# Altium PCB Main_Fly_V1.0.0.PcbDoc (part 1 of 2) (continued)
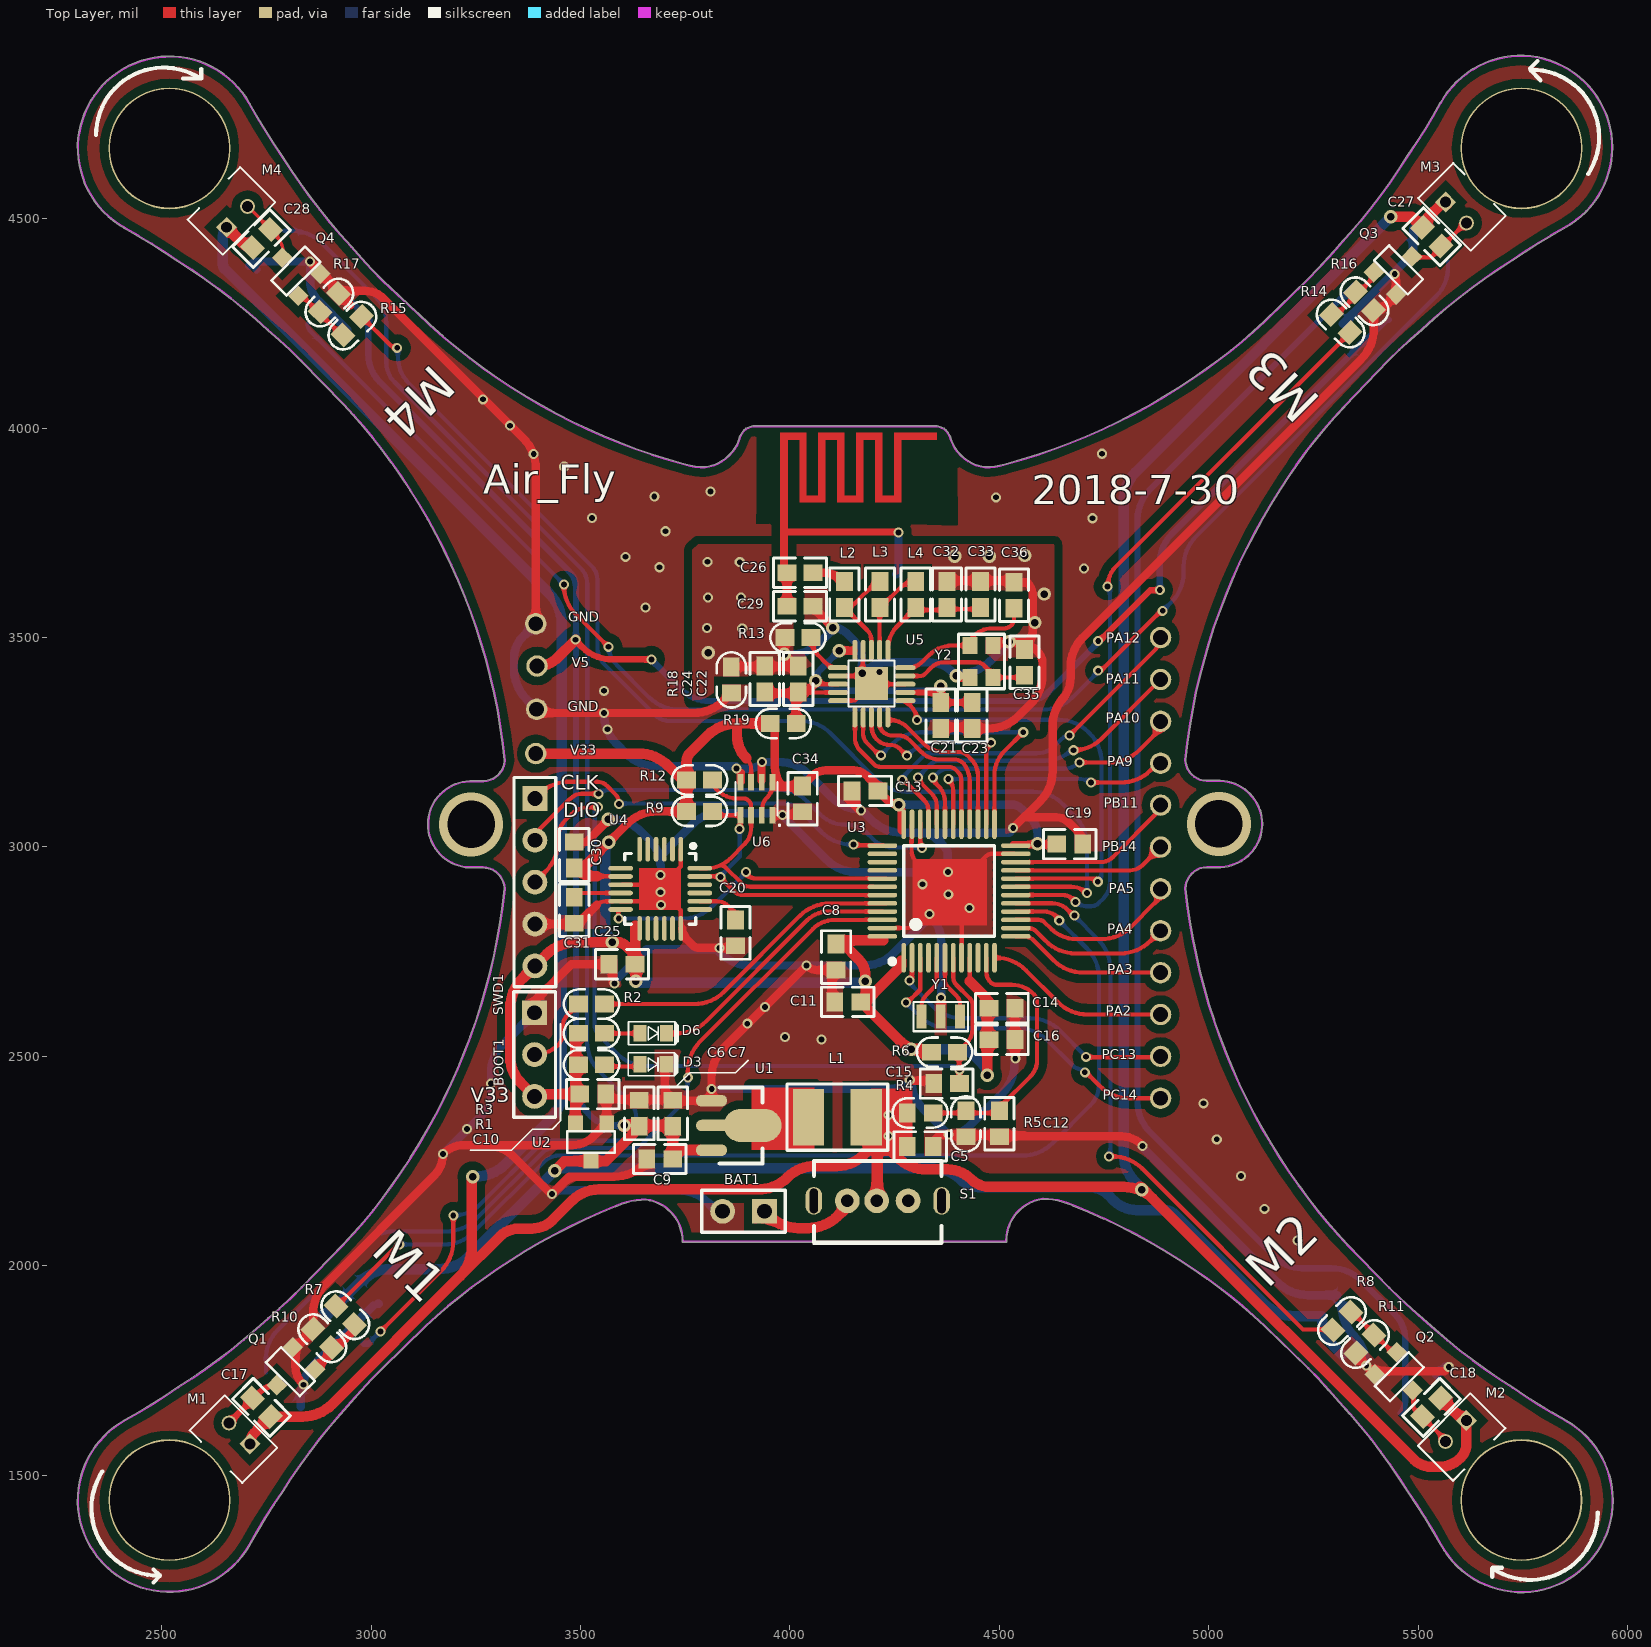
[diagram p0: Top Layer view]
## Components (designator, comment, footprint, x,y, rotation, side; value= is the part's Value field where it differs from the comment)
BAT1 "BAT" HDR1X2 3939,2130 r180 top
BOOT1 "BOOT" HDR1X3 3390,2604.33 r270 top
C1 "C_0603" C0603#1 2983.08,1926.92 r45 bottom
C2 "C_0603" C0603#1 5291.92,1901.92 r135 bottom
C3 "C_0603" C0603#1 5338.08,4221.92 r225 bottom
C4 "C_0603" C0603#1 2968.08,4233.08 r315 bottom
C5 "C_0603" C0603#2 4311,2285 r90 top
C6 "C_0603" C0603#3 3640,2364 r180 top
C7 "C_0603" C0603#1 3720,2364 r0 top
C8 "C_0603" C0603#3 4110,2737 r0 top
C9 "C_0603" C0603#1 3689,2255 r90 top
C10 "C_0603" C0603#3 3529,2410 r90 top
C11 "C_0603" C0603#1 4138,2630 r90 top
C12 "C_0603" C0603#1 4500,2339 r180 top
C13 "C_0603" C0603#1 4179,3134 r90 top
C14 "C_0603" C0603#1 4506,2615 r270 top
C15 "C_0603" C0603#1 4374,2435 r90 top
C16 "C_0603" C0603#1 4506,2540 r270 top
C17 "C_0603" C0603#3 2738.08,1661.92 r45 top
C18 "C_0603" C0603#1 5531.92,1661.92 r135 top
C19 "C_0603" C0603#3 4668,3007 r90 top
C20 "C_0603" C0603#1 3870,2795 r180 top
C21 "C_0603" C0603#4 4360,3314 r0 top
C22 "C_0603" C0603#4 4020,3401 r180 top
C23 "C_0603" C0603#4 4435,3314 r0 top
C24 "C_0603" C0603#4 3940,3401 r180 top
C25 "C_0603" C0603#1 3599,2720 r90 top
C26 "C_0603" C0603#4 4024,3655 r270 top
C27 "C_0603" C0603#2 5532.44,4457.3 r225 top
C28 "C_0603" C0603#2 2738.08,4453.08 r315 top
C29 "C_0603" C0603#4 4024,3575 r270 top
C30 "C_0603" C0603#1 3485,2981 r0 top
C31 "C_0603" C0603#3 3485,2849 r0 top
C32 "C_0603" C0603#4 4375,3603 r0 top
C33 "C_0603" C0603#4 4455,3603 r0 top
C34 "C_0603" C0603#3 4030,3115 r0 top
C35 "C_0603" C0603#4 4560,3441 r0 top
C36 "C_0603" C0603#4 4535,3601 r0 top
D1 "P923D" RGB_LED_5050 2860,1775 r135 bottom
D2 "P923D" RGB_LED_5050 2820,4360 r45 bottom
D3 "LED_0603" LED0603-green 3673,2481 r0 top
D4 "P923D" RGB_LED_5050 5460,4370 r315 bottom
D5 "P923D" RGB_LED_5050 5430,1760 r225 bottom
D6 "LED_0603" LED0603-green 3673.5,2555 r0 top
GND "Header 1" HEADER1 3393,3533 r0 top (schematic designator P15)
GND "Header 1" HEADER1 3395,3329 r0 top (schematic designator P2)
L1 "Inductor" L_1812 4113,2355 r180 top
L2 "Inductor" C0603#4 4130,3603 r180 top
L3 "Inductor" C0603#4 4215,3603 r180 top
L4 "Inductor" C0603#4 4300,3603 r0 top
M1 "Motor_720" MOTOR 2685,1600 r135 top
M2 "Motor_720" MOTOR 5590,1605 r225 top
M3 "Motor_720" MOTOR 5590.71,4514.66 r315 top
M4 "Motor_720" MOTOR 2680,4505 r45 top
PA2 "Header 1" HEADER1 4885,2600 r0 top (schematic designator P5)
PA3 "Header 1" HEADER1 4885,2700 r0 top (schematic designator P7)
PA4 "Header 1" HEADER1 4885,2800 r0 top (schematic designator P9)
PA5 "Header 1" HEADER1 4885,2900 r0 top (schematic designator P11)
PA9 "Header 1" HEADER1 4885,3200 r0 top (schematic designator P12)
PA10 "Header 1" HEADER1 4885,3300 r0 top (schematic designator P10)
PA11 "Header 1" HEADER1 4885,3400 r0 top (schematic designator P8)
PA12 "Header 1" HEADER1 4885,3500 r0 top (schematic designator P6)
PB11 "Header 1" HEADER1 4885,3100 r0 top (schematic designator P16)
PB14 "Header 1" HEADER1 4885,3000 r0 top (schematic designator P14)
PC13 "Header 1" HEADER1 4885,2500 r0 top (schematic designator P1)
PC14 "Header 1" HEADER1 4885,2400 r0 top (schematic designator P3)
Q1 "SI2302" SOT-23-3 2807.01,1747.01 r135 top
Q2 "SI2302" SOT-23-3 5455,1735 r225 top
Q3 "SI2302" SOT-23-3 5452.99,4377.99 r315 top
Q4 "SI2302" SOT-23-3 2820,4375 r45 top
R1 "R_0603" "R0603 - 1"#1 3526,2480 r90 top
R2 "R_0603" "R0603 - 1"#1 3526,2625 r90 top
R3 "R_0603" "R0603 - 1"#1 3526,2555 r90 top
R4 "R_0603" "R0603 - 1"#2 4311,2365 r270 top
R5 "R_0603" "R0603 - 1"#3 4420,2339 r180 top
R6 "R_0603" "R0603 - 1"#1 4369,2510 r270 top
R7 "R_0603" "R0603 - 1"#1 2938.08,1881.92 r45 top
R8 "R_0603" "R0603 - 1"#4 5318.08,1868.08 r135 top
R9 "R_0603" "R0603 - 1"#1 3784,3085 r90 top
R10 "R_0603" "R0603 - 1"#3 2883.08,1826.92 r45 top
R11 "R_0603" "R0603 - 1"#2 5373.08,1813.08 r135 top
R12 "R_0603" "R0603 - 1"#1 3784,3160 r90 top
R13 "R_0603" "R0603 - 1"#1 4019,3500 r270 top
R14 "R_0603" "R0603 - 1"#4 5315,4250 r225 top
R15 "R_0603" "R0603 - 1"#2 2955,4245 r315 top
R16 "R_0603" "R0603 - 1"#4 5371.92,4303.08 r225 top
R17 "R_0603" "R0603 - 1"#4 2900,4300 r315 top
R18 "R_0603" "R0603 - 1"#3 3860,3399 r180 top
R19 "R_0603" "R0603 - 1"#1 3984,3295 r90 top
S1 "SW-SPDT" SWITCH_PWR 4057,2155 r90 top
SWD1 "SWD" HDR1X5 3391,3116 r270 top
U1 "HT7750SA" SOT-89(SOT-89-3) 3812.57,2335 r180 top
U2 "XC6206" SOT-23-3 3525,2295.28 r180 top
U3 "STM32F103C8T6" LC-LQFP-48_7x7x05P 4380,2895 r0 top
U4 "MPU6050" QFN-24_4x4x05P 3690,2900 r180 top
U5 "Si24R1" QFN-20_4x4 4155,3310 r90 top
U6 "FBM320\BMP280\SPL06" LGA-2_5X2MM 3920,3115 r270 top
V5 "Header 1" HEADER1 3396,3432 r0 top (schematic designator P13)
V33 "Header 1" HEADER1 3393,3223 r0 top (schematic designator P4)
Y1 "XTAL" SMD-cstse800G52-r0 4360,2595 r0 top
Y2 "XTAL" CRYSTAL_RSX-10 4457.24,3442.99 r90 top

## Footprints (in the part's own frame and the unit in brackets; to place one, negate y for a bottom-side part, rotate by r counter-clockwise, add the part's x,y. Pads: shape width x height; smd on the part's side, far side on the other; paste and mask are expansions set on the pad)
C0603#1 [mil] "SMT电容"
  rect 45x40 smd: 1(0,31)
  rect 40x45 smd: 2(0,-31)
  silkscreen extent -35,-63 35,63, body extent -48,-48 48,48, height 31
C0603#2 [mil] "SMT电容"
  rect 45x40 smd: 1(0,31) 2(0,-31)
  silkscreen extent -35,-63 35,63, body extent -18,-32 18,31, height 31
C0603#3 [mil] "SMT电容"
  rect 40x45 smd: 1(0,31)
  rect 45x40 smd: 2(0,-31)
  silkscreen extent -35,-63 35,63, body extent -18,-32 18,31, height 31
C0603#4 [mil] "SMT电容"
  rect 40x45 smd: 1(0,31) 2(0,-31)
  silkscreen extent -35,-63 35,63, body extent -18,-32 18,31, height 31
CRYSTAL_RSX-10 [mm]
  rect 1.03x0.9 smd: 1(-0.965,-0.705) 2(0.965,-0.705) 3(0.965,0.705) 4(-0.965,0.705)
  silkscreen extent -1.65,-1.4 1.65,1.4, body extent -1.6,-1.27 1.6,1.23, height 0.7
HDR1X2 [mm] "Connector; Header; 2 Position"
  rect 1.5x1.5 hole 0.9: 1(0,0)
  round 1.5 hole 0.9: 2(2.54,0)
  silkscreen extent -1.27,-1.27 3.81,1.27
HDR1X3 [mm] "Connector; Header; 3 Position"
  rect 1.5x1.5 hole 0.9: 1(0,0)
  round 1.5 hole 0.9: 2(2.54,0) 3(5.08,0)
  silkscreen extent -1.27,-1.27 6.35,1.27
HDR1X5 [mm] "Connector; Header; 5 Position"
  rect 1.5x1.5 hole 0.9: 1(0,0)
  round 1.5 hole 0.9: 2(2.54,0) 3(5.08,0) 4(7.62,0) 5(10.16,0)
  silkscreen extent -1.27,-1.27 11.43,1.27
HEADER1 [mm]
  round 1.3 hole 0.9: 1(0,0)
  body extent -1.26,-1.26 1.28,1.28, height 8.5
L_1812 [mm]
  rect 1.9x3.42 smd: 1(-1.75,0) 2(1.75,0)
  silkscreen extent -3.05,-2.01 3.05,2.01, body extent -2.45,-2.49 2.55,2.51, height 4.1
LC-LQFP-48_7x7x05P [mm]
  oval 0.28x1.8 smd mask+0.051: 1(-2.75,-4.05) 2(-2.25,-4.05) 3(-1.75,-4.05) 4(-1.25,-4.05) 5(-0.75,-4.05) 6(-0.25,-4.05) 7(0.25,-4.05) 8(0.75,-4.05) 9(1.25,-4.05) 10(1.75,-4.05) 11(2.25,-4.05) 12(2.75,-4.05) 25(2.75,4.05) 26(2.25,4.05) 27(1.75,4.05) 28(1.25,4.05) 29(0.75,4.05) 30(0.25,4.05) 31(-0.25,4.05) 32(-0.75,4.05) 33(-1.25,4.05) 34(-1.75,4.05) 35(-2.25,4.05) 36(-2.75,4.05)
  oval 1.8x0.28 smd mask+0.051: 13(4.05,-2.75) 14(4.05,-2.25) 15(4.05,-1.75) 16(4.05,-1.25) 17(4.05,-0.75) 18(4.05,-0.25) 19(4.05,0.25) 20(4.05,0.75) 21(4.05,1.25) 22(4.05,1.75) 23(4.05,2.25) 24(4.05,2.75) 37(-4.05,2.75) 38(-4.05,2.25) 39(-4.05,1.75) 40(-4.05,1.25) 41(-4.05,0.75) 42(-4.05,0.25) 43(-4.05,-0.25) 44(-4.05,-0.75) 45(-4.05,-1.25) 46(-4.05,-1.75) 47(-4.05,-2.25) 48(-4.05,-2.75)
  silkscreen extent -3.6,-4.42 2.75,2.75
LED0603-green [mm]
  rect 0.8x1 smd: 1(-0.8,0) 2(0.8,0)
  silkscreen extent -1.5,-0.7 1.5,0.7, body extent -0.8,-0.38 0.8,0.42, height 0.6
LGA-2_5X2MM [mm]
  rect 1x0.35 smd: 1(1.001,0.975) 2(1.001,0.325) 3(1.001,-0.325) 4(1.001,-0.975) 5(-1.001,-0.975) 6(-1.001,-0.325) 7(-1.001,0.325) 8(-1.001,0.975)
  silkscreen extent -1.02,-1.27 1.65,1.45, body extent -1.09,-1.35 1.09,1.31, height 0.9
MOTOR [mm]
  rect 0.9x0.9 hole 0.65: 1(-0.911,0)
  round 0.9 hole 0.65: 2(0.886,0)
  silkscreen extent -2.25,-1 2.25,2
QFN-20_4x4 [mm] "QFN, 20-Leads, Body 4.0x4.0mm (max), Pitch 0.50mm, IPC Medium Density"
  rect 2x2 smd: 0(2.032,-1.016)
  oval 1.25x0.3 smd: 1(0,0) 2(0,-0.5) 3(0,-1) 4(0,-1.5) 5(0,-2) 11(4.064,-2) 12(4.064,-1.5) 13(4.064,-1) 14(4.064,-0.5) 15(4.064,0)
  round 0.5 on Top Overlay: 3(0.254,0.635)
  oval 0.3x1.25 smd: 6(1,-3.048) 7(1.5,-3.048) 8(2,-3.048) 9(2.5,-3.048) 10(3,-3.048) 16(3,1.016) 17(2.5,1.016) 18(2,1.016) 19(1.5,1.016) 20(1,1)
  silkscreen extent 0.64,-2.41 3.43,0.38, body extent 0.53,-2.54 3.53,0.46, height 0.62
QFN-24_4x4x05P [mm]
  oval 0.28x1.5 smd mask+0.051: 1(-1.25,-2.4) 2(-0.75,-2.4) 3(-0.25,-2.4) 4(0.25,-2.4) 5(0.75,-2.4) 6(1.25,-2.4) 13(1.25,2.4) 14(0.75,2.4) 15(0.25,2.4) 16(-0.25,2.4) 17(-0.75,2.4) 18(-1.25,2.4)
  oval 1.5x0.28 smd mask+0.051: 7(2.4,-1.25) 8(2.4,-0.75) 9(2.4,-0.25) 10(2.4,0.25) 11(2.4,0.75) 12(2.4,1.25) 19(-2.4,1.25) 20(-2.4,0.75) 21(-2.4,0.25) 22(-2.4,-0.25) 23(-2.4,-0.75) 24(-2.4,-1.25)
  Top Layer region: -1.27,-1.27 1.27,-1.27 1.27,1.27 -1.27,1.27
  silkscreen extent -2.15,-2.72 2.15,2.15, body extent -2.25,-3.52 2.76,1.49, height 0.9
"R0603 - 1"#1 [mil] "SMT电阻"
  rect 40x45 smd: 1(0,31) 2(0,-31)
  silkscreen extent -35,-66 35,66, body extent -15,-31 16,31, height 20
"R0603 - 1"#2 [mil] "SMT电阻"
  rect 40x45 smd: 1(0,31)
  rect 45x40 smd: 2(0,-31)
  silkscreen extent -35,-66 35,66, body extent -15,-31 16,31, height 20
"R0603 - 1"#3 [mil] "SMT电阻"
  rect 45x40 smd: 1(0,31)
  rect 40x45 smd: 2(0,-31)
  silkscreen extent -35,-66 35,66, body extent -15,-31 16,31, height 20
"R0603 - 1"#4 [mil] "SMT电阻"
  rect 45x40 smd: 1(0,31) 2(0,-31)
  silkscreen extent -35,-66 35,66, body extent -46,-46 46,46, height 20
RGB_LED_5050 [mm]
  oval 1.2x2 smd: 1(-1.5,-2.5) 2(1.5,-2.5) 3(1.5,2.5) 4(-1.5,2.5)
  silkscreen extent -2.5,-2.5 2.5,2.5, body extent -5,-5 5,5, height 1.55
SMD-cstse800G52-r0 [mm]
  rect 0.6x1.45 smd: 1(-1.168,0) 2(1.168,0) 3(0,0)
  silkscreen extent -1.65,-0.89 1.65,0.89, body extent -1.61,-0.76 1.59,0.76, height 0.7
SOT-23-3 [mm]
  rect 0.9x0.9 smd: 1(-0.95,-1.15) 2(0.95,-1.15) 3(0,1.15)
  silkscreen extent -1.45,-0.65 1.45,0.65, body extent -2.4,-2.55 2.4,2.25, height 1.2
SOT-89(SOT-89-3) [mm]
  oval 1.9x0.7 smd: 1(0,-1.5) 3(0,1.5)
  oval 3.5x2 smd: 2(-2.5,0)
  oval 2.1x0.7 smd: 2(-0.1,0)
  silkscreen extent -3.1,-2.3 -0.5,2.3, body extent -3.75,-2.25 0.55,2.25, height 1.51
SWITCH_PWR [mm]
  round 1.5 hole 0.75: 1(0,-2.032) 2(0,-3.81) 3(0,-5.715)
  oval 1.676x1 hole 0.5 slot 1.5 at 0 deg: ""(0,0) ""(0,-7.747)
  silkscreen extent -2.54,-7.75 2.41,0, body extent -1.85,-8.06 1.85,0.44, height 6.5

## Part data
BAT1: "Header, 2-Pin"
BOOT1: library part "Header 3", "Header, 3-Pin"
D3 D6: library part "LED 0603", "发光二极管"
L1: "电感"
L2 L3 L4: library part Inductor_1, "电感"
M1 M2 M3 M4: "Motor, General Kind"
Q1 Q2 Q3 Q4: "N-Channel Power MOSFET"
S1: "SPDT Subminiature Toggle Switch, Right Angle Mounting, Vertical Actuation"
SWD1: library part "Header 5", "Header, 5-Pin"
U5: library part nRF24L01
U6: library part FBM320, "气压计"
Y1: library part XTAL_2
Y2: library part XTAL16M, "XTAL16M"

## Free pads (board coordinates)
  round 291.34 hole 283.46: 0(2518.07,4668.31) 1(5746.81,4668.31) 2(5746.44,1440.33) 3(2518.07,1440.35)
  rect 15.75x15.75 smd: 1(3986.02,3663.58) 2(4258.86,3752.56)

## Via types
v1: diameter 24, hole 14, Top Layer to Bottom Layer, tented both sides, 115 vias
v2: diameter 32, hole 18, Top Layer to Bottom Layer, tented both sides, 28 vias
v3: diameter 152.84, hole 113.47, Top Layer to Bottom Layer, tented both sides, 2 vias

## Nets (pads, with @x,y where several pads share a name; then routed paths per layer and width w, separated by ;. In a path a pad name is that pad's centre, name@x,y a point inside that pad or via, vN(x,y) a via of type N, cw(c..) or ccw(c..) an arc to the next point about the centre after c; other vN are vias at no path point)
3V3: BOOT1.3 C8.1 C10.1 C11.2 C13.2 C14.2 C16.2 C19.1 C25.2 C30.2 C34.1 R1.1 R3.1 R6.2 R9.1 R12.1 R19.1 SWD1.5 U2.2 U3.1 U3.9 U3.24 U3.36 U3.48 U4.8 U4.13 U6.2 U6.6 U6.8 V33.1 | length 5692.4
  Top Layer w10: 3538,2930 U4.8@3579,2930 ; 3896,3212 cw(c3868.86,3184.91) 3907.2,3184.91 U6.6@3907.2,3154.42 ; U6.2@3932.8,3075.58 3932.8,3087.83 cw(c3976.17,3087.83) 3933,3092.04 cw(c3976.17,3087.83) 3945.5,3118.5 ccw(c3914.39,3149.61) U6.8@3958,3143.79 ; U3.9@4429.21,2735.55 4429.21,2680.79 4430,2680
  Top Layer w15: U3.24@4532.66,3007 C19.1@4635,3007 ; U3.24@4538,3005 4633,3005 C19.1@4635,3007 ; C19.1@4637,3007 C19.1@4635,3007 ; C19.1@4640,3012 C19.1@4635,3007
  Top Layer w20: 3545.5,2989.5 v2(3567,3011) 3611.71,3055.71 cw(c3682.42,2985) 3651.2,3080 cw(c3682.42,2985) 3682.42,3085 R9.1@3753,3085 ; R19.1@3953,3295 cw(c3926.44,3268.44) 3964,3268.44 3964,3191.28 ccw(c4032.28,3191.28) 3981.18,3146 ; C34.1@4038,3143 3969,3143 3961,3151 ccw(c3973.07,3163.07) 3973.07,3146 3981.18,3146 ; 4184.41,3169.59 ccw(c4152,3137.13) 4152,3183 4085,3183 ccw(c4085,3139.54) 4054.27,3170.27 C34.1@4030,3146 3981.18,3146 ; 4184.44,3169.57 4202.93,3151.07 cw(c4185.86,3134) C13.2@4210,3134 4230.98,3113.02 ccw(c4260,3142.04) v2(4260,3101) cw(c4244.98,3085.98) 4266.22,3085.98 4266.22,3040
  Top Layer w25: 3357.22,2437.11 BOOT1.3@3390,2404.33 3395.67,2410 C10.1@3487.6,2410 ; 3357.2,2437.13 cw(c3418.12,2498) 3332,2498 3332,2615.58 cw(c3432,2615.58) 3361.29,2686.29 SWD1.5@3391,2716 3418.01,2743.01 cw(c3488,2673.02) 3418.04,2743.04 cw(c3488,2673.02) 3488,2772 3593.06,2772 ; V33.1@3393,3223 3638.58,3223 cw(c3638.58,3123) 3709.29,3193.71 R12.1@3746,3157 ; U2.2@3487.6,2340.55 C10.1@3487.6,2410 ; R1.1@3490,2480 R1.1@3487.6,2482.4 ; R3.1@3495,2560 3487.6,2552.6 R1.1@3487.6,2482.4 ; C10.1@3498,2410 C10.1@3487.6,2410 ; 3538,2930 3533.28,2930 cw(c3533.28,2998.28) 3502.84,2937.16 cw(c3533.28,2998.28) C30.2@3485,2950 ccw(c3485,3000.7) 3513.84,2959 ccw(c3485,3000.7) 3520.83,2964.83 3545.5,2989.5 ; v2(3576,2773) 3584.86,2773 cw(c3584.86,2738.86) 3593.06,2772 ; C25.2@3628,2714 3628,2744 3609,2763 ccw(c3584.86,2738.86) 3593.06,2772 ; C25.2@3630,2720 3630,2812 ; v2@3633,2679 C25.2@3633,2715 ; R9.1@3753,3085 R12.1@3753,3160 3753,3204.69 cw(c3780.31,3204.69) 3760.99,3223.99 3802.71,3265.71 cw(c3873.42,3195) 3873.42,3295 ; 3895.97,3212.03 cw(c3950.51,3266.51) 3873.42,3266.51 3873.42,3295 ; R19.1@3953,3295 3873.42,3295 ; C8.1@4116,2768 4128,2768 4163.5,2732.5 cw(c4123.67,2692.67) 4180,2692.67 v2(4180,2679) ; C8.1@4120,2768 4129,2777 4223,2777 ; 4181,2658.97 cw(c4140.03,2658.97) 4176.7,2640.7 cw(c4140.03,2658.97) C11.2@4169,2630 4259.71,2539.29 ccw(c4330.42,2610) 4330.42,2510 R6.2@4338,2510 ; C11.2@4182,2631 4182,2633 4265.53,2716.53 4265.53,2728.53 ; 4429,2679 4462.27,2645.73 cw(c4431.54,2615) 4472,2630.87 cw(c4431.54,2615) C14.2@4475,2615 4471,2619 v2(4471,2455) ; C10.1@3487.6,2410 R1.1@3487.6,2482.4
  Bottom Layer w20: v2(4260,3101) 4529.15,3101 cw(c4529.15,3065.15) 4554.47,3090.53 ; 4554.5,3090.5 4573.5,3071.5 ; 4573.53,3071.47 cw(c4531.25,3029.25) 4587,3050.75 cw(c4531.25,3029.25) 4591,3029.25 v2(4591,3008)
  Bottom Layer w25: 3558.63,2790.37 3558.63,2842.41 3559.25,2843.03 3559.25,2992.28 cw(c3585.72,2992.28) v2(3567,3011) ; 3559.25,2822.68 3559.25,2813.44 ccw(c3616.44,2813.44) v2(3576,2773) ; v2@3642,2676 v2@4178,2676 ; v2(4290,2517) 4403.69,2517 cw(c4403.69,2467.69) 4438.54,2502.57 4460.31,2480.8 ; 4460.33,2480.79 cw(c4434.51,2455) v2(4471,2455)
  other v2: 3632,2679
BOOT0: R2.2 U3.44 | length 763.8
  Top Layer w10: R2.2@3557,2625 3771.58,2625 ccw(c3771.58,2725) 3842.29,2654.29 4024,2836 cw(c4094.01,2765.99) 4094.01,2865 U3.44@4230,2865
DC_5V: C1.2 C2.2 C3.2 C4.2 C6.1 C7.2 C9.2 D1.3 D2.3 D4.3 D5.3 U1.3 U2.3 V5.1 | length 8092.3
  Top Layer w15: v1@3487,3494 3503.71,3477.29 ccw(c3574.42,3548) 3560.31,3449 ccw(c3574.42,3548) 3574.42,3448 v1(3669,3448) ; v1@4738,3491 4860,3613 v1@4879,3613
  Top Layer w25: V5.1@3396,3432 ccw(c3396,3502.01) 3429.58,3440.58 ccw(c3396,3502.01) 3445.51,3452.51 3487,3494 v1(3488,3495) ; v2(3438,2227) 3461,2250 U2.3@3525,2250 ; U2.3@3530,2250 3560,2250 C6.1@3635,2325 ; C6.1@3640,2335 3705,2335 C7.2@3710,2330 ; C7.2@3720,2330 C9.2@3720,2255 3740.94,2275.94 U1.3@3812.57,2275.94
  Top Layer w30: v2(3604,2335) C6.1@3638,2335
  Bottom Layer w15: D2.3@2934,4328 2934,4320 C4.2@2997,4257 ; C4.2@2993,4243 2993,4176.89 ccw(c3086.89,4176.89) 3020.5,4110.5 3473,3658 cw(c3434.37,3619.37) 3489,3619.37 3489,2434.42 ccw(c3589,2434.42) 3518.29,2363.71 3525.5,2356.5 ccw(c3577.41,2408.41) 3577.41,2335 v2(3604,2335) ; v1@3666,3450 3738.05,3377.95 ccw(c3808.77,3448.66) 3808.77,3348.66 4566,3348.66 ccw(c4566,3420.86) 4617.04,3369.79 v1@4738.13,3490.87 ; v1(4883,3614) 4883,3677.58 cw(c4983,3677.58) 4884,3691.69 cw(c4983,3677.58) 4885.71,3700.71 cw(c4983,3677.58) 4912.29,3748.29 5357.17,4193.17 ccw(c5350.34,4200) C3.2@5360,4200 ; v1@4884,3613 v1@4884,3614 ; C3.2@5366,4205 5366,4200 5425,4259 D4.3@5430,4259
  Bottom Layer w25: D1.3@2887.84,1886.36 ccw(c2887.84,1912.51) D1.3@2898.73,1888.73 ; D1.3@2896,1883 2896,1886 D1.3@2898.73,1888.73 ; D5.3@5318.64,1787.84 5299.29,1807.19 cw(c5370,1877.9) 5270,1877.9 C2.2@5270,1880 5203.42,1880 cw(c5203.42,1980) 5132.71,1909.29 4920.31,2121.69 ccw(c4893,2094.37) 4893,2133 4827.82,2133 cw(c4827.82,2209.82) 4773.51,2155.49 4759.5,2169.5 ccw(c4715.55,2125.55) 4715.55,2187.7 4451.17,2187.7 cw(c4451.17,2250.17) 4407,2206 ccw(c4343.02,2142.02) 4343.02,2232.5 3641.04,2232.5 3640.93,2232.39 3451.01,2232.39 ccw(c3451.01,2213.99) v2(3438,2227) 3232.29,2021.29 cw(c3161.58,2092) 3161.58,1992 3045.74,1992 ccw(c3045.74,1892) 2975.03,1962.71 C1.2@2961.16,1948.84 2906.34,1894.02 cw(c2887.84,1912.51) D1.3@2898.73,1888.73
  other v1: 4736,3492
GND: BAT1.2 BOOT1.1 C1.1 C2.1 C3.1 C4.1 C5.2 C6.2 C7.1 C8.2 C9.1 C10.2 C11.1 C12.1 C13.1 C14.1 C15.1 C16.1 C19.2 C20.1 C25.1 C30.1 C31.2 C34.2 D1.1 D2.1 D3.2 D4.1 D5.1 GND.1 Q1.2 Q2.2 Q3.2 Q4.2 R5.1 R10.1 R11.1 R16.1 R17.1 R18.1 SWD1.4 U1.1 U2.1 U3.8 U3.23 U3.35 U3.47 U4.1 U4.9 U4.11 U4.18 U6.1 U6.5 U6.7 Y1.3 | length 15883.7
  Top Layer w10: 3539.02,2862.02 cw(c3558.31,2842.69) 3558.31,2870 U4.11@3576,2870 ; U4.11@3595.51,2870.47 3673.53,2870.47 ; U4.9@3600,2910 3658,2910 ; 3727,2941 3739.21,2953.21 U4.1@3739.21,2994.49 ; 3730,2858 3739,2849 U4.18@3739,2813 ; U3.47@4220.55,2806.42 4275.28,2806.42 ccw(c4275.28,2876.69) 4324.97,2827 ; U3.35@4291,3053 4290.12,3052.12 4290.12,2992.58 ccw(c4330.69,2992.58) 4301.71,2964.19 ; 4308.56,2821.56 4318,2831 ; 4313,2953.21 ccw(c4311.1,2953.21) 4312.45,2954.55 4301,2966 ccw(c4303.66,2966) 4301.71,2964.19 ; U3.8@4410,2738 4410,2843 ; 4446,2956 4466.93,2976.93 cw(c4484,2959.86) 4484,2984 U3.23@4535,2984 ; 4301.71,2964.19 ccw(c4303.66,2966) 4301.78,2964.12 ; 4301.71,2964.19 ccw(c4330.69,2992.58) 4301.78,2964.12 ; 4301.78,2964.12 ccw(c4330.69,2992.58) 4302,2963.9 4301.78,2964.12
  Top Layer w20: Q1.2@2819,1806 2819,1760 ccw(c2879.36,1760) 2836.68,1717.32 v1(2838,1716) ; Q1.2@2822,1807 R10.1@2863,1848 ; v1@2855,4396 2920,4331 R17.1@2920,4324 ; R10.1@2861.16,1848.84 2861.16,1886.08 cw(c2957.92,1886.08) 2863,1904.86 cw(c2957.92,1886.08) 2889.5,1954.5 3150.49,2215.49 ccw(c3100.99,2265) v1@3171,2265 ; R17.1@2921.92,4321.92 2950.14,4293.7 ; R17.1@2928,4328 2985,4328 cw(c2985,4265.23) 3029.36,4309.64 ; 3029.38,4309.62 3363.71,3975.29 cw(c3293,3904.58) 3393,3904.58 GND.1@3393,3533 GND.1@3397,3537 ; v1(3171,2267) cw(c3221.7,2216.3) 3221.7,2288 3271.58,2288 ; BOOT1.1@3390,2604.33 3390,2632 3478,2720 C25.1@3568,2720 ; SWD1.4@3391,2816 3483,2816 C31.2@3485,2818 ccw(c3485,2842.14) 3502.07,2825.07 3539,2862 ; GND.1@3395,3329 ccw(c3416.73,3350.73) 3416.73,3320 v1(3556,3320) 3770.58,3320 ccw(c3770.58,3420) 3841.29,3349.29 R18.1@3860,3368 ; v1(3432,2171) 3458.11,2197.11 cw(c3496,2159.23) 3496,2212.81 ; C30.1@3485,3012 3514,3012 v2@3560,3058 ; U2.1@3562,2341 3562,2403 3568,2397 C7.1@3716,2397 ; U2.1@3562.4,2340.55 3530.93,2309.07 cw(c3480.05,2359.95) 3480.05,2288 3271.58,2288 ; v1@3577,2677 C25.1@3577,2708 ; C9.1@3654,2245 3651.1,2242.1 cw(c3580.39,2312.81) 3580.39,2212.81 3496,2212.81 ; D3.2@3701,2482 3701,2414 C7.1@3720,2395 3720.94,2394.06 U1.1@3812.57,2394.06 3812.57,2449.15 cw(c3912.57,2449.15) 3812.8,2455.8 cw(c3912.57,2449.15) 3841.86,2519.86 v1(4039,2717) ccw(c4065.56,2743.56) 4053.46,2708 ccw(c4065.56,2743.56) 4065.56,2706 C8.2@4110,2706 ; U4.18@3742.91,2805.51 ccw(c3780.15,2805.51) 3753.82,2779.18 3768,2765 ccw(c3782.49,2779.49) 3782.49,2759 v1(3832,2759) C20.1@3866,2759 ; U6.5@3882,3156 3882,3178 ; U6.7@3932,3158 v1@3932,3197 ; U6.1@3964,3077 C34.2@4041,3077 ; C8.2@4100,2701 4100,2636 C11.1@4111,2625 ; C13.1@4142,3132 4142,3112 v1@4169,3085 ; v1(4286,2444) 4288,2442 C15.1@4344,2442 ; C5.2@4348,2303 4357,2312 4559,2312 ; Y1.3@4359,2617 4361,2619 v1@4361,2639 ; C12.1@4507,2309 4791.72,2309 cw(c4791.72,2240.72) v1@4840,2289 ; v1(4533,3045) 4597.71,3109.71 ccw(c4527,3180.42) 4627,3180.42 4627,3288.58 cw(c4727,3288.58) 4627.49,3298.49 cw(c4727,3288.58) 4656.29,3359.29 ; v1@4537,2497 C16.1@4537,2540 C14.1@4537,2613 ; 4561,3071 4636.03,3071 cw(c4636.03,3030.03) 4665,3059 4686.27,3037.73 cw(c4655.54,3007) 4696,3022.87 cw(c4655.54,3007) C19.2@4699,3007 ; 4648,3351 ccw(c4594.89,3404.11) 4670,3404.11 4670,3429.58 cw(c4770,3429.58) 4699.29,3500.29 5364.71,4165.71 ccw(c5294,4236.42) 5394,4236.42 R16.1@5394,4279 ; R11.1@5353,1785 v1(5376,1762) Q2.2@5399,1739 ; R16.1@5393,4283 5413,4283 5447,4317 5447,4367 v1@5445,4369 ; Q2.2@5398,1738 Q2.2@5399,1739 ; Q2.2@5404,1736 5402,1736 Q2.2@5399,1739 ; v1(5573,1758) 5563,1748 5408,1748 Q2.2@5399,1739 ; 3271.58,2288 cw(c3271.58,2188) 3293.41,2285.59 cw(c3271.58,2188) 3342.29,2258.71 3428.59,2172.41 ccw(c3432,2175.83) 3431.09,2171.09 3472.81,2212.81 3496,2212.81
  Bottom Layer w20: D2.1@2708.64,4387.84 cw(c2733.18,4363.31) 2733.18,4398 v1@2852,4398 ; D2.1@2726,4379 D2.1@2726,4380 ; D1.1@2832.16,1663.64 2832.16,1690.74 cw(c2932.16,1690.74) 2850.6,1748.6 cw(c2932.16,1690.74) 2861.45,1761.45 C1.1@3005,1905 ; v1(2854,4398) 2854,4351.58 ccw(c2920.58,4351.58) 2873.5,4304.5 2943,4235 C4.1@2943,4214 ; C1.1@3016,1909 C1.1@3018,1909 ; v1(3171,2267) 3266.91,2362.91 ; 3266.93,2362.93 ccw(c3220.82,2409) 3286,2409 3286,2458.91 cw(c3386,2458.91) 3315.29,2529.62 BOOT1.1@3390,2604.33 ; GND.1@3393,3533 3361.51,3501.51 ccw(c3411.01,3452) 3352.54,3490.5 ccw(c3411.01,3452) 3341,3452 3341,3424.42 ccw(c3441,3424.42) 3370.29,3353.71 GND.1@3395,3329 ; v1(3432,2171) cw(c3453.54,2149.46) 3453.54,2179.92 3733.66,2179.92 cw(c3733.66,2079.92) 3804.37,2150.63 BAT1.2@3835,2120 ; v1(3556,3320) 3556,3317.42 ccw(c3656,3317.42) 3585.29,3246.71 3609.71,3222.29 ccw(c3680.42,3293) 3680,3193 ccw(c3680.42,3293) 3680.42,3193 v1@3872,3193 ; v2(3566,3066) 3573.58,3066 cw(c3573.58,2966) 3644.29,3036.71 3667,3014 cw(c3611.47,2958.47) 3690,2958.47 ; v1@3582,2676 3582,2680 3658,2756 3825,2756 3834.71,2746.29 ccw(c3905.42,2817) 3905.42,2717 v1(4039,2717) 4176.58,2717 ccw(c4176.58,2817) 4210.7,2723 ccw(c4176.58,2817) 4214.45,2724.45 ccw(c4176.58,2817) 4247.29,2746.29 v1@4336.88,2835.88 ; v1@3692,2860 3692,2956.47 3690,2958.47 ; v1(3813,2422) 4234.47,2422 ccw(c4234.47,2500.53) 4290,2445 4290,2443.42 ccw(c4390,2443.42) 4319.29,2372.71 v1(4379,2313) ccw(c4379,2383.01) 4428.51,2333.51 4506.71,2411.71 ccw(c4436,2482.42) 4535.26,2470.26 ccw(c4436,2482.42) 4536,2482.42 v1@4536,2497 ; v1(3872,3187) 3898.37,3187 ccw(c3898.37,3241.63) v1@3937,3203 ; v1(3933,3203) v1@3937,3203 ; v1@3982,3081 3830.06,3081 ccw(c3830.06,2993.94) 3768.54,3055.54 ccw(c3830.06,2993.94) 3768.5,3055.5 3703.1,2990.1 ccw(c3734.73,2958.47) 3690,2958.47 ; v1@3983,3074 4087.71,2969.29 ccw(c4158.42,3040) 4144.31,2941 ccw(c4158.42,3040) 4158.42,2940 v1(4377,2940) 4377,2982.1 ccw(c4353.1,2982.1) 4370,2999 4335,3034 ; v1(4333,2840) cw(c4265.4,2772.4) v1@4336.88,2835.88 ; v1@4361,2638 v1(4361,2640) 4361,2772.4 ccw(c4265.4,2772.4) v1@4336.88,2835.88 ; v1@4533,3043 4524,3034 4335,3034 ; v1@4842,2283 5165.71,1959.29 ccw(c5236.42,2030) 5236.42,1930 C2.1@5307,1930 ; C2.1@5318,1911 5318,1902.02 ccw(c5417.04,1902.02) 5347.01,1831.99 cw(c5277.02,1762) 5347.04,1831.96 cw(c5277.02,1762) v1(5376,1762) ; C3.1@5320,4249 5488,4417 D4.1@5488,4477 ; D5.1@5544,1738 5566,1760 v1@5576,1760 ; v1@3937,3203 3973.58,3203 cw(c3973.58,3103) 4044.29,3173.71 4099.71,3118.29 ccw(c4170.42,3189) 4141.82,3093.18 ccw(c4170.42,3189) 4170.42,3089 4196.13,3063.29 ccw(c4266.84,3134) 4218.59,3046.41 ccw(c4266.84,3134) 4266.84,3034 4335,3034
  other v1: 5212,2060 5133,2136 5077,2214 4842,2286 5019,2302 3229,2327 4987,2388 3286,2435 4538,2495 4075,2540 3988,2546 3898,2578 3940,2618 3581,2674 4429,2854 3692,2862 4378,2887 3691,2892 4316,2911 3691,2933 3982,3076 4170,3087 3564,3281 3556,3373 3655,3572 4702,3665 3688,3668 3607,3693 3703,3754 4722,3785 3527,3786 4492,3835 3676,3837 3810,3849 3461,3908 3388,3938 4745,3939 3331,4006 3267,4069 5444,4368
INT: U3.41 U4.12 | length 700.2
  Top Layer w10: v1@3590,2832 3590,2845 U4.12@3594,2849 ; v1@3894.02,2934.98 ccw(c3918.14,2959.14) 3918.14,2925 U3.41@4228,2925
  Bottom Layer w10: v1@3588.5,2825.5 v1@3591,2825.5 ; v1(3591,2829) 3743.58,2829 ccw(c3743.58,2929) 3814.29,2858.29 v1@3893,2937
  other v1: 3895,2940
NetBAT1_1: BAT1.1 S1.1 | length 242.6
  Top Layer w25: BAT1.1@3939,2130 3950,2119 ccw(c4020.01,2189.01) 4020.01,2090 4043.58,2090 ccw(c4043.58,2190) 4114.29,2119.29 4130,2135 S1.1@4130,2160
NetBOOT1_2: BOOT1.2 R2.1 | length 177
  Top Layer w10: BOOT1.2@3390,2504.33 ccw(c3390,2584.79) 3446.9,2527.9 ccw(c3421.29,2553.5) 3457.5,2553.5 3457.5,2571 cw(c3497.33,2571) 3469.17,2599.17 R2.1@3495,2625
NetC17_1: C17.1 M1.2 Q1.3 | length 149.6
  Top Layer w15: M1.2@2660.34,1624.66 2733.48,1697.8 cw(c2775,1656.29) 2751.29,1710 cw(c2775,1656.29) Q1.3@2775,1715
NetC18_1: C18.1 M2.2 Q2.3 | length 145.7
  Top Layer w10: Q2.3@5489,1695 5489,1660 5518,1631 5563,1586 M2.2@5563,1580
NetC20_2: C20.2 U4.20 | length 109.3
  Top Layer w10: U4.20@3782,2871 U4.20@3784.49,2871 ; U4.20@3784.49,2870.47 3824.6,2870.47 cw(c3824.6,2829.6) 3853.5,2858.5 C20.2@3878,2834